# KiCad board GNSS GPS L86-M33 breakout with easyC_panel.kicad_pcb (continued)
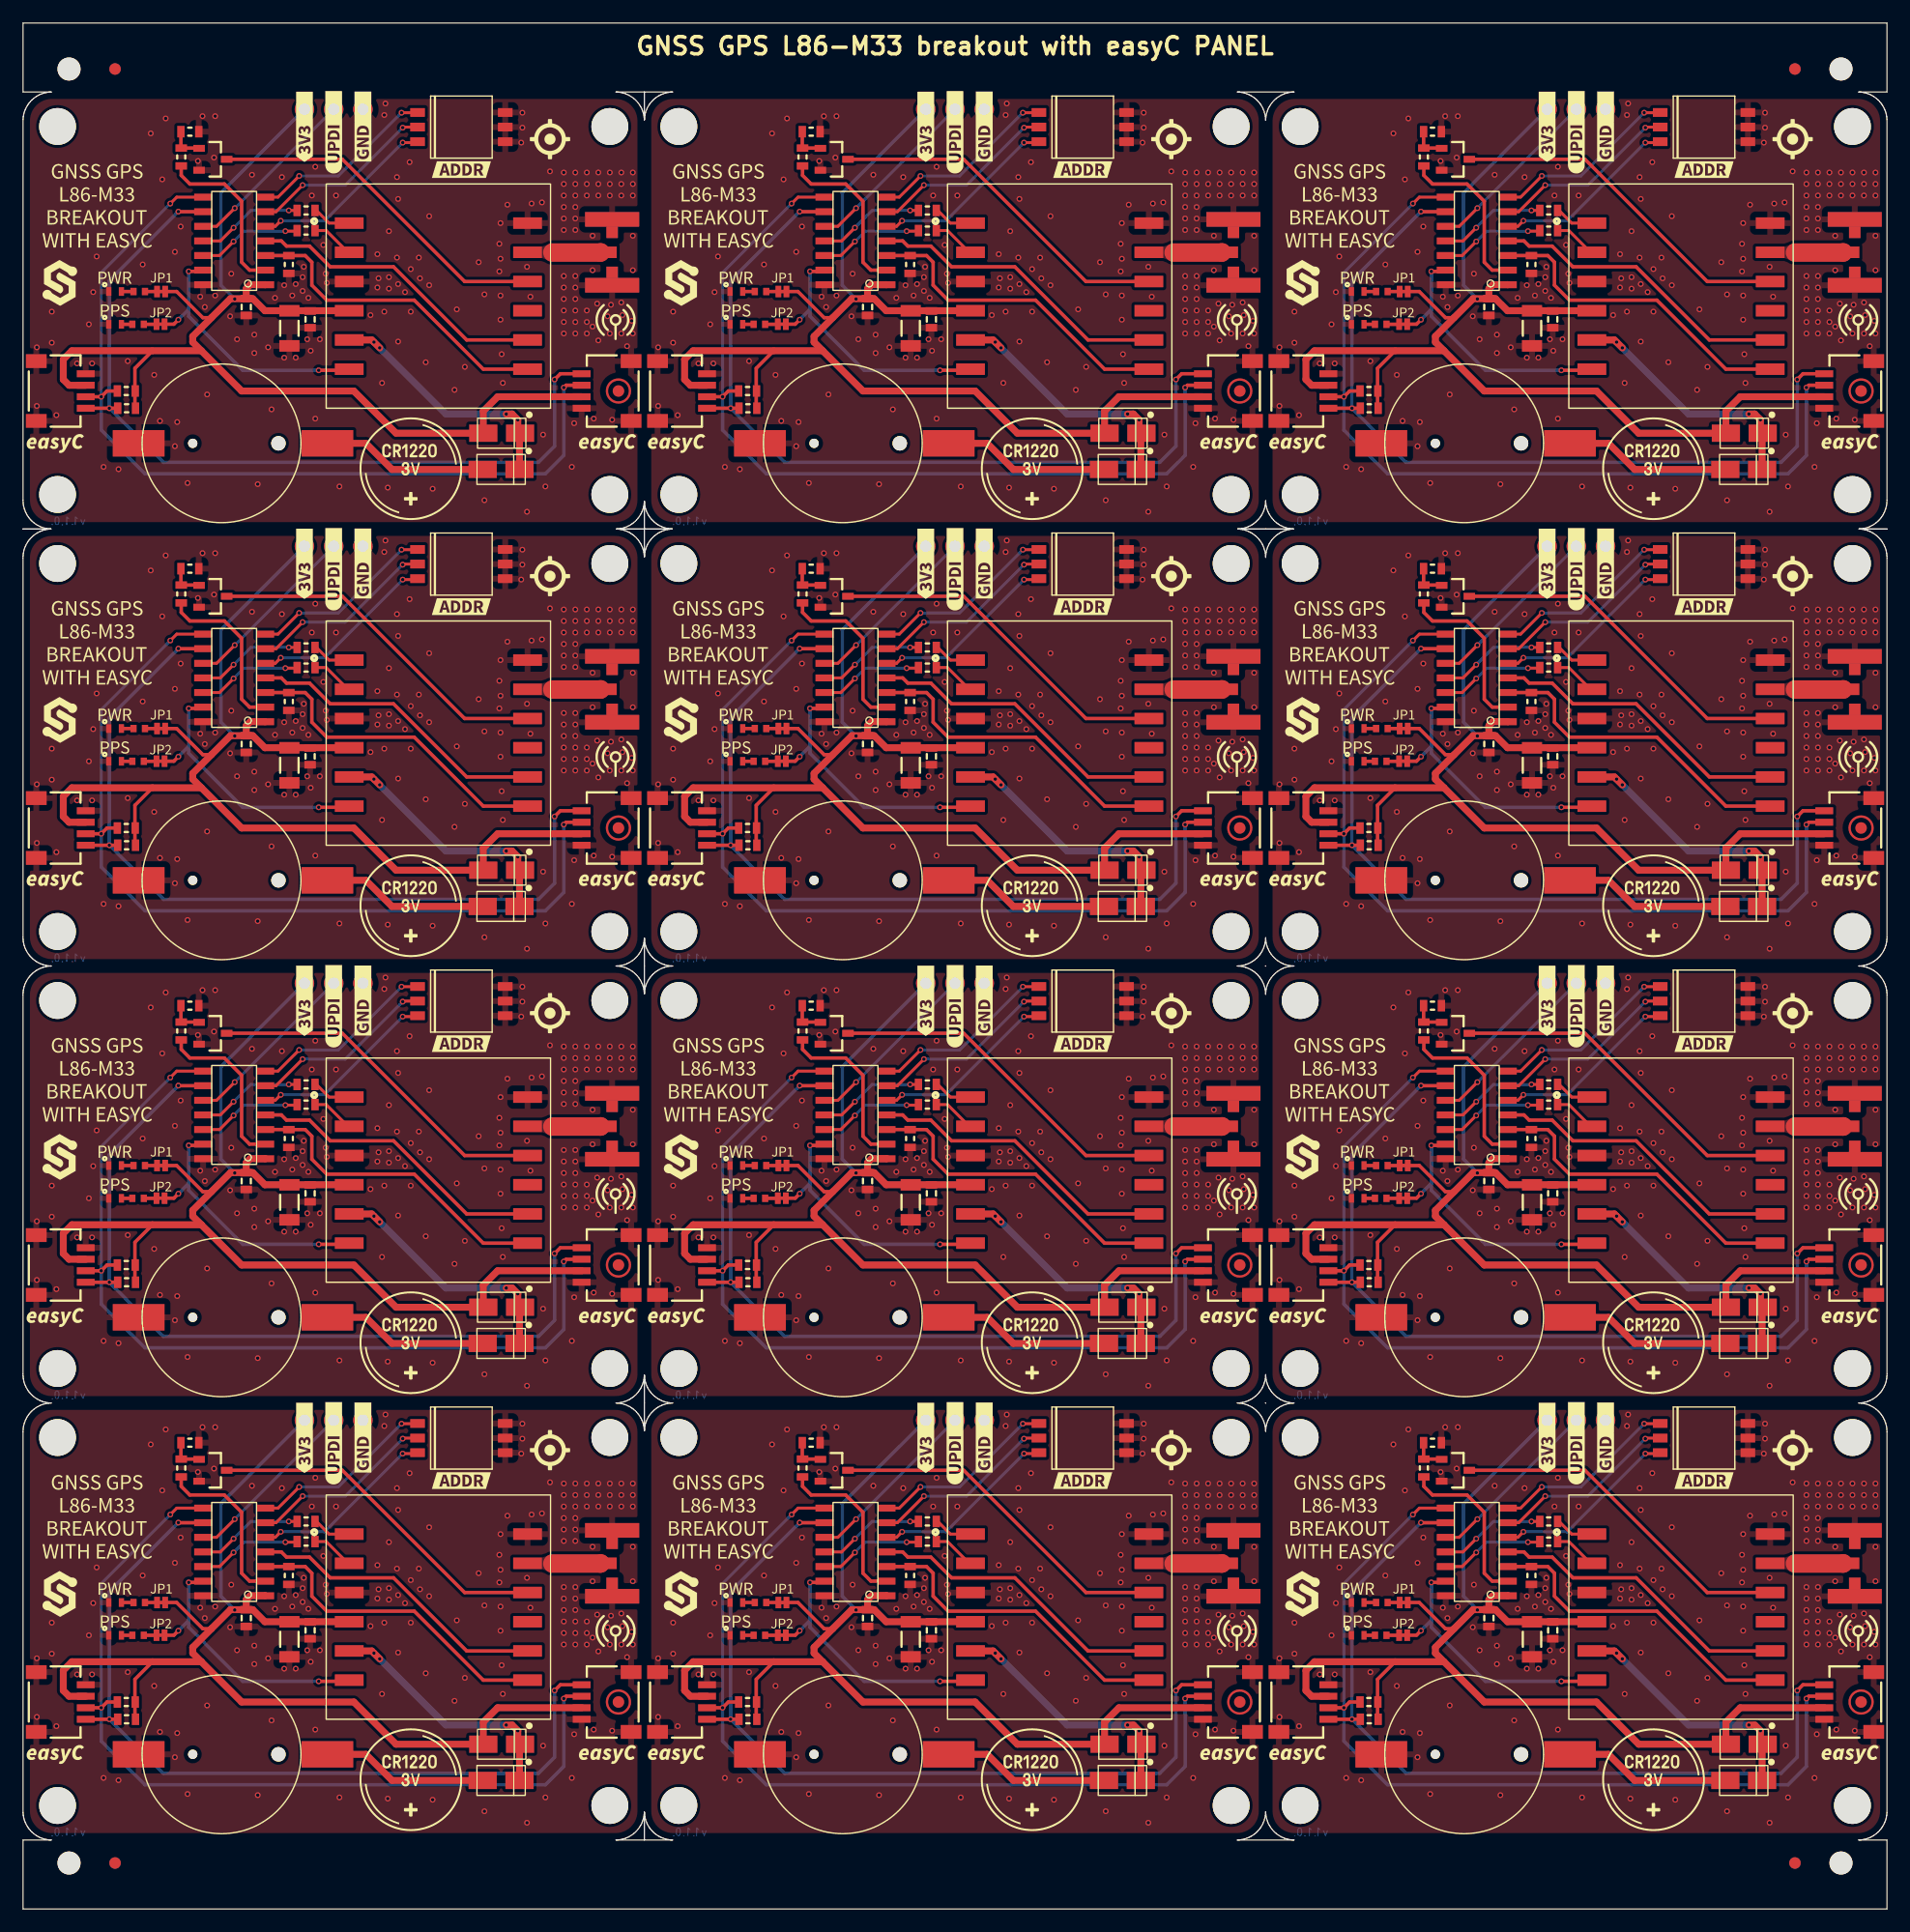
[diagram p0: board, top side]
## Routing (per net, layer and track width the routed paths; a pad name or vN(x,y) marks a point on that pad's centre or on a via; arc(x,y) is an arc through that point) (continued)
  Bottom w0.254: v1(6.8,93.5) 6.8,104.3 v1(12.8,110.3)
  Bottom w0.3: v1(6.8,93.5) 6.8,90.6 10.6,86.8 45.4,86.8 47,88.4 v1(47,94.3)
Board_3-TXD1: length 9.3
  Top w0.254: R3#5.2 v1(23.1,109.7) ; v1(18.3,108.2) 17.15,107.05 U5#4.11
  Bottom w0.254: v1(18.3,108.2) 19.8,109.7 v1(23.1,109.7)
Board_3-UPDI: length 15.6
  Top w0.254: U5#4.10 16.82,108.32 v1(18.4,109.9)
  Bottom w0.254: v1(18.4,109.9) K6#3.2
Board_3-V_BCKP: length 23.9
  Top w0.6: v1(42,92) 42.5,92 v1(43,91.5) 43,90.53 D1#4.2 43.15,90.28 D2.2 ; v1(31,97.75) v1(30.5,98.25) 30.31,98.44 U2#2.5
  Bottom w0.6: v1(43,91.5) 42.5,92 v1(42,92) 36.75,92 v1(31,97.75) v1(30.5,98.25)
Board_4-3V3: length 104.9
  Top w0.3: JP2#10.1 67.35,102.65 69.63,100.38 70.38,100.38 ; 63.75,92.53 63.73,92.55 63.73,95.98 65.25,97.5
  Top w0.6: C5#5.1 73.97,102.03 75.02,100.98 U2#7.4 ; C5#5.1 72.03,102.03 68.75,98.75 68.75,98.25 69.5,97.5 ; C5#5.1 73.4,102.9 73.75,103.25 75.04,103.25 U5#2.1 ; K5#11.3 95.25,93.5 94,92.25 D1#9.1 86.42,90.33 82.75,94 73,94 69.5,97.5 ; K7#6.3 58,94.5 57.5,95 57.5,96.75 58.25,97.5 69.5,97.5
  Bottom w0.3: v1(72.4,102) 71.2,103.2 71.2,111.24 K6#10.1
Board_4-ADD1: length 16.3
  Top w0.254: U5#2.7 76.16,110.86 v1(78,112.7) ; v1(86.9,118.2) 88.27,118.2 K8#2.1
  Bottom w0.254: v1(86.9,118.2) 81.4,112.7 v1(78,112.7)
Board_4-ADD2: length 16.3
  Top w0.254: v1(78.3,111.9) 75.99,109.59 U5#2.6 ; K8#2.3 87.05,116.95 v1(87,116.9)
  Bottom w0.254: v1(87,116.9) 82,111.9 v1(78.3,111.9)
Board_4-ADD3: length 16.3
  Top w0.254: U5#2.5 75.92,108.32 v1(76.4,108.8) ; v1(87,115.6) 88.21,115.6 K8#2.5
  Bottom w0.254: v1(76.4,108.8) 80.2,108.8 v1(87,115.6)
Board_4-ANT: length 4.2
  Top w1.6: 100,106.04 104.18,106.04 K1#3.1
Board_4-ANT_DET: length 26.4
  Top w0.3: U2#7.8 92.56,98.44 86.2,104.8 80.7,104.8 78.9,106.6 76.9,106.6 76.45,107.05 U5#2.4
Board_4-FORCE_ON: length 28.1
  Top w0.3: U2#7.7 94,95.9 88,101.9 80.4,101.9 79.1,103.2 79.1,105.2 78.53,105.78 R5#10.1 77.1,105.78 U5#2.3
Board_4-GND:
  vias: v1(55.2,97.8) v1(55.2,92.7) v1(56.5,100.9) v1(56.5,98.2) v1(56.9,91.9) v1(58.7,96.4) v1(59.73,99.8) v1(60,96.4) v1(60.1,102.6) v1(60.4,105.7) v1(61,87.4) v1(62.3,87.2) v1(63.1,96.6) v1(64.4,105) v1(65.1,116.4) v1(65.4,95.4) v1(65.9,91.4) v1(66.1,112.4) v1(66.4,117.7) v1(67.2,106.1) v1(67.2,89.2) v1(67.4,91.3) v1(67.7,108.3) v1(68.3,86) v1(69.2,114) v1(69.4,102.2) v1(69.6,117.9) v1(69.8,101.3) v1(70,93.7) v1(70.6,114.3) v1(70.7,117.9) v1(70.7,102.3) v1(72,100.5) v1(72.1,104.2) v1(72.6,98.5) v1(73.9,112.8) v1(74.1,98.9) v1(74.1,97.3) v1(74.4,85.9) v1(75.3,97.8) v1(75.6,92.4) v1(75.9,102.1) v1(76.5,112.6) v1(76.7,103.2) v1(76.7,96.9) v1(77.4,102.3) v1(77.7,103.3) v1(77.7,96.9) v1(78.3,103.9) v1(78.3,102.7) v1(78.4,104.8) v1(78.7,98.5) v1(78.8,102.1) v1(79,97.5) v1(79.1,111) v1(79.4,113.5) v1(79.4,91.6) v1(79.8,98.5) v1(80.1,106.7) v1(80.3,104.2) v1(80.4,103.4) v1(81.2,111) v1(81.5,85.7) v1(84.2,100.6) v1(84.8,105.9) v1(84.8,103) v1(84.9,103.8) v1(85.2,94.7) v1(85.4,118) v1(85.4,100.9) v1(85.5,119) v1(85.7,85.6) v1(85.8,107.9) v1(85.8,103.9) v1(85.8,102.9) v1(86.5,112.6) v1(86.5,105.6) v1(86.6,110.7) v1(86.6,103.3) v1(86.6,98.3) v1(87.2,102.6) v1(87.6,113.9) v1(87.7,104.6) v1(87.7,100.9) v1(88.4,105.6) v1(88.5,103.8) v1(89,96.5) v1(89.3,109.2) v1(89.3,103.2) v1(89.6,85.5) v1(91.5,94.1) v1(91.7,101.1) v1(92.4,96.1) v1(93.6,105.2) v1(94.1,102.4) v1(94.1,84.5) v1(95.4,106.8) v1(95.4,104.4) v1(95.5,108.6) v1(95.5,105.5) v1(95.5,102.3) v1(95.5,100.2) v1(95.6,97.2) v1(95.7,94.7) v1(96.1,110.2) v1(97.3,115.6) v1(97.4,118.2) v1(97.4,116.9) v1(97.8,104.8) v1(97.8,83.5) v1(98.1,102.2) v1(98.2,110.3) v1(99.1,110.4) v1(99.2,90.2) v1(99.4,85.7) v1(99.8,113.1) v1(101,113) v1(101,112) v1(101,111) v1(101,110) v1(101,109) v1(101,108) v1(101,104) v1(101,103) v1(101,102) v1(101,101) v1(101,100) v1(101,99) v1(101.7,87.4) v1(101.9,91.2) v1(102,113) v1(102,112) v1(102,111) v1(102,110) v1(102,109) v1(102,108) v1(102,104) v1(102,103) v1(102,102) v1(102,101) v1(102,100) v1(102,99) v1(103,113) v1(103,112) v1(103,111) v1(103,101) v1(103,100) v1(103,99) v1(103.5,107.5) v1(103.5,104.5) v1(103.5,99.6) v1(103.6,91.6) v1(103.9,101.6) v1(104,113) v1(104,112) v1(104,111) v1(104,98.4) v1(104.8,100.5) v1(105,113) v1(105,112) v1(105,111) v1(105,99) v1(105.1,101.5) v1(105.2,91.5) v1(106,113) v1(106,112) v1(106,111) v1(106,101.7) v1(106,99) v1(106.1,100.6) v1(106.5,97.9) v1(106.9,100.1) v1(107,113) v1(107,112) v1(107,111) v1(107,107.5) v1(107,104.5) v1(107,99)
Board_4-Net-(D2-Pad1): length 14.4
  Top w0.6: K3#7.1+ 83.8,89.45 86.07,87.18 D2#11.1
Board_4-Net-(D3-Pad1): length 1
  Top w0.3: D3#7.1 R9#2.2
Board_4-Net-(D4-Pad1): length 1
  Top w0.3: D4#3.1 R10#3.2
Board_4-Net-(JP2-Pad2): length 1
  Top w0.3: R9#2.1 JP2#10.2
Board_4-Net-(JP4-Pad2): length 1.1
  Top w0.3: JP4#2.2 65.59,99.8 R10#3.1
Board_4-Net-(Q1-Pad1): length 3
  Top w0.3: R6#8.1 67.73,115.15 R2#9.2 69.28,115.13 Q1#5.1
Board_4-Net-(Q1-Pad3): length 30.6
  Top w0.3: Q1#5.3 81.75,114.15 92.38,103.52 U2#7.10
Board_4-Net-(R1-Pad1): length 3.8
  Top w0.254: U2#7.2 82.24,106.06 80.35,107.95 R1#9.1
Board_4-Net-(R3-Pad1): length 3.4
  Top w0.254: R3#9.1 79.5,109.7 80.6,108.6 U2#7.1
Board_4-PPS: length 23.8
  Top w0.3: v1(79.7,95.8) 82.25,95.8 U2#7.6 ; v1(68.4,104.4) 69.54,104.4 U5#2.13 ; v1(67.5,100.2) 67.11,99.81 JP4#2.1
  Bottom w0.3: 68.4,101.1 v1(68.4,104.4) ; 68.4,101.1 68.4,100.5 73.1,95.8 v1(79.7,95.8) ; 68.4,101.1 v1(67.5,100.2)
Board_4-RESET: length 14.6
  Top w0.3: R2#9.1 67.75,112.75 68.5,112 71.5,112 73,110.5 73,105.2 73.69,104.51 U5#2.2
Board_4-RXD1: length 9.1
  Top w0.254: R1#9.2 77.78,107.9 v1(76.8,107.9) ; U5#2.12 71.08,105.78 v1(72.3,107)
  Bottom w0.254: v1(72.3,107) 73.2,107.9 v1(76.8,107.9)
Board_4-SCL: length 74.1
  Top w0.3: K7#6.1 v1(61.5,92.5) R7#12.1 ; v1(100.2,95) 100.7,95.5 K5#11.1 ; U5#2.9 67.51,109.59 v1(67.5,109.6)
  Bottom w0.3: v1(100.2,95) 100.2,89.2 98.8,87.8 66.2,87.8 v1(61.5,92.5) 61.5,103.6 v1(67.5,109.6)
Board_4-SDA: length 78.2
  Top w0.254: U5#2.8 67.36,110.86 v1(66.8,110.3)
  Top w0.3: v1(101,94.3) 101.2,94.5 K5#11.2 ; R4#8.1 61.3,94 v1(60.8,93.5) K7#6.2
  Bottom w0.254: v1(60.8,93.5) 60.8,104.3 v1(66.8,110.3)
  Bottom w0.3: v1(101,94.3) 101,88.4 99.4,86.8 64.6,86.8 60.8,90.6 v1(60.8,93.5)
Board_4-TXD1: length 9.3
  Top w0.254: U5#2.11 71.15,107.05 v1(72.3,108.2) ; R3#9.2 v1(77.1,109.7)
  Bottom w0.254: v1(72.3,108.2) 73.8,109.7 v1(77.1,109.7)
Board_4-UPDI: length 15.6
  Top w0.254: v1(72.4,109.9) 70.82,108.32 U5#2.10
  Bottom w0.254: v1(72.4,109.9) K6#10.2
Board_4-V_BCKP: length 23.9
  Top w0.6: v1(85,97.75) v1(84.5,98.25) 84.31,98.44 U2#7.5 ; v1(96,92) 96.5,92 v1(97,91.5) 97,90.53 D1#9.2 97.15,90.28 D2#11.2
  Bottom w0.6: v1(97,91.5) 96.5,92 v1(96,92) 90.75,92 v1(85,97.75) v1(84.5,98.25)
Board_5-3V3: length 104.9
  Top w0.3: JP2#5.1 121.35,102.65 123.63,100.38 124.38,100.38 ; 117.75,92.53 117.73,92.55 117.73,95.98 119.25,97.5
  Top w0.6: U2.4 129.02,100.98 127.97,102.03 C5#3.1 ; K5#5.3 149.25,93.5 148,92.25 D1#2.1 140.42,90.33 136.75,94 127,94 123.5,97.5 ; 123.5,97.5 122.75,98.25 122.75,98.75 126.03,102.03 C5#3.1 ; 123.5,97.5 112.25,97.5 111.5,96.75 111.5,95 112,94.5 K7#4.3 ; C5#3.1 127.4,102.9 127.75,103.25 129.04,103.25 U5#9.1
  Bottom w0.3: K6#5.1 125.2,111.24 125.2,103.2 v1(126.4,102)
Board_5-ADD1: length 16.3
  Top w0.254: U5#9.7 130.16,110.86 v1(132,112.7) ; K8#10.1 142.27,118.2 v1(140.9,118.2)
  Bottom w0.254: v1(132,112.7) 135.4,112.7 v1(140.9,118.2)
Board_5-ADD2: length 16.3
  Top w0.254: v1(141,116.9) 141.05,116.95 K8#10.3 ; U5#9.6 129.99,109.59 v1(132.3,111.9)
  Bottom w0.254: v1(141,116.9) 136,111.9 v1(132.3,111.9)
Board_5-ADD3: length 16.3
  Top w0.254: U5#9.5 129.92,108.32 v1(130.4,108.8) ; K8#10.5 142.21,115.6 v1(141,115.6)
  Bottom w0.254: v1(141,115.6) 134.2,108.8 v1(130.4,108.8)
Board_5-ANT: length 4.2
  Top w1.6: K1#10.1 158.18,106.04 154,106.04
Board_5-ANT_DET: length 26.4
  Top w0.3: U2.8 146.56,98.44 140.2,104.8 134.7,104.8 132.9,106.6 130.9,106.6 130.45,107.05 U5#9.4
Board_5-FORCE_ON: length 28.1
  Top w0.3: U5#9.3 131.1,105.78 R5#2.1 132.53,105.78 133.1,105.2 133.1,103.2 134.4,101.9 142,101.9 148,95.9 U2.7
Board_5-GND:
  vias: v1(109.2,97.8) v1(109.2,92.7) v1(110.5,100.9) v1(110.5,98.2) v1(110.9,91.9) v1(112.7,96.4) v1(113.73,99.8) v1(114,96.4) v1(114.1,102.6) v1(114.4,105.7) v1(115,87.4) v1(116.3,87.2) v1(117.1,96.6) v1(118.4,105) v1(119.1,116.4) v1(119.4,95.4) v1(119.9,91.4) v1(120.1,112.4) v1(120.4,117.7) v1(121.2,106.1) v1(121.2,89.2) v1(121.4,91.3) v1(121.7,108.3) v1(122.3,86) v1(123.2,114) v1(123.4,102.2) v1(123.6,117.9) v1(123.8,101.3) v1(124,93.7) v1(124.6,114.3) v1(124.7,117.9) v1(124.7,102.3) v1(126,100.5) v1(126.1,104.2) v1(126.6,98.5) v1(127.9,112.8) v1(128.1,98.9) v1(128.1,97.3) v1(128.4,85.9) v1(129.3,97.8) v1(129.6,92.4) v1(129.9,102.1) v1(130.5,112.6) v1(130.7,103.2) v1(130.7,96.9) v1(131.4,102.3) v1(131.7,103.3) v1(131.7,96.9) v1(132.3,103.9) v1(132.3,102.7) v1(132.4,104.8) v1(132.7,98.5) v1(132.8,102.1) v1(133,97.5) v1(133.1,111) v1(133.4,113.5) v1(133.4,91.6) v1(133.8,98.5) v1(134.1,106.7) v1(134.3,104.2) v1(134.4,103.4) v1(135.2,111) v1(135.5,85.7) v1(138.2,100.6) v1(138.8,105.9) v1(138.8,103) v1(138.9,103.8) v1(139.2,94.7) v1(139.4,118) v1(139.4,100.9) v1(139.5,119) v1(139.7,85.6) v1(139.8,107.9) v1(139.8,103.9) v1(139.8,102.9) v1(140.5,112.6) v1(140.5,105.6) v1(140.6,110.7) v1(140.6,103.3) v1(140.6,98.3) v1(141.2,102.6) v1(141.6,113.9) v1(141.7,104.6) v1(141.7,100.9) v1(142.4,105.6) v1(142.5,103.8) v1(143,96.5) v1(143.3,109.2) v1(143.3,103.2) v1(143.6,85.5) v1(145.5,94.1) v1(145.7,101.1) v1(146.4,96.1) v1(147.6,105.2) v1(148.1,102.4) v1(148.1,84.5) v1(149.4,106.8) v1(149.4,104.4) v1(149.5,108.6) v1(149.5,105.5) v1(149.5,102.3) v1(149.5,100.2) v1(149.6,97.2) v1(149.7,94.7) v1(150.1,110.2) v1(151.3,115.6) v1(151.4,118.2) v1(151.4,116.9) v1(151.8,104.8) v1(151.8,83.5) v1(152.1,102.2) v1(152.2,110.3) v1(153.1,110.4) v1(153.2,90.2) v1(153.4,85.7) v1(153.8,113.1) v1(155,113) v1(155,112) v1(155,111) v1(155,110) v1(155,109) v1(155,108) v1(155,104) v1(155,103) v1(155,102) v1(155,101) v1(155,100) v1(155,99) v1(155.7,87.4) v1(155.9,91.2) v1(156,113) v1(156,112) v1(156,111) v1(156,110) v1(156,109) v1(156,108) v1(156,104) v1(156,103) v1(156,102) v1(156,101) v1(156,100) v1(156,99) v1(157,113) v1(157,112) v1(157,111) v1(157,101) v1(157,100) v1(157,99) v1(157.5,107.5) v1(157.5,104.5) v1(157.5,99.6) v1(157.6,91.6) v1(157.9,101.6) v1(158,113) v1(158,112) v1(158,111) v1(158,98.4) v1(158.8,100.5) v1(159,113) v1(159,112) v1(159,111) v1(159,99) v1(159.1,101.5) v1(159.2,91.5) v1(160,113) v1(160,112) v1(160,111) v1(160,101.7) v1(160,99) v1(160.1,100.6) v1(160.5,97.9) v1(160.9,100.1) v1(161,113) v1(161,112) v1(161,111) v1(161,107.5) v1(161,104.5) v1(161,99)
Board_5-Net-(D2-Pad1): length 14.4
  Top w0.6: K3#2.1+ 137.8,89.45 140.07,87.18 D2#8.1
Board_5-Net-(D3-Pad1): length 1
  Top w0.3: D3#6.1 R9#6.2
Board_5-Net-(D4-Pad1): length 0.9
  Top w0.3: D4#8.1 R10#5.2
Board_5-Net-(JP2-Pad2): length 1.1
  Top w0.3: R9#6.1 JP2#5.2
Board_5-Net-(JP4-Pad2): length 1.1
  Top w0.3: R10#5.1 119.59,99.8 JP4#6.2
Board_5-Net-(Q1-Pad1): length 3
  Top w0.3: Q1#4.1 123.28,115.13 R2#6.2 121.73,115.15 R6#3.1
Board_5-Net-(Q1-Pad3): length 30.6
  Top w0.3: Q1#4.3 135.75,114.15 146.38,103.52 U2.10
Board_5-Net-(R1-Pad1): length 3.8
  Top w0.254: R1#11.1 134.35,107.95 136.24,106.06 U2.2
Board_5-Net-(R3-Pad1): length 3.4
  Top w0.254: R3#12.1 133.5,109.7 134.6,108.6 U2.1
Board_5-PPS: length 23.8
  Top w0.3: v1(133.7,95.8) 136.25,95.8 U2.6 ; U5#9.13 123.54,104.4 v1(122.4,104.4) ; v1(121.5,100.2) 121.11,99.81 JP4#6.1
  Bottom w0.3: v1(121.5,100.2) 122.4,101.1 ; 122.4,101.1 v1(122.4,104.4) ; 122.4,101.1 122.4,100.5 127.1,95.8 v1(133.7,95.8)
Board_5-RESET: length 14.6
  Top w0.3: R2#6.1 121.75,112.75 122.5,112 125.5,112 127,110.5 127,105.2 127.69,104.51 U5#9.2
Board_5-RXD1: length 9.1
  Top w0.254: v1(126.3,107) 125.08,105.78 U5#9.12 ; v1(130.8,107.9) 131.78,107.9 R1#11.2
  Bottom w0.254: v1(130.8,107.9) 127.2,107.9 v1(126.3,107)
Board_5-SCL: length 74.1
  Top w0.3: U5#9.9 121.51,109.59 v1(121.5,109.6) ; v1(154.2,95) 154.7,95.5 K5#5.1 ; K7#4.1 v1(115.5,92.5) R7#10.1
  Bottom w0.3: v1(154.2,95) 154.2,89.2 152.8,87.8 120.2,87.8 v1(115.5,92.5) 115.5,103.6 v1(121.5,109.6)
Board_5-SDA: length 78.2
  Top w0.254: v1(120.8,110.3) 121.36,110.86 U5#9.8
  Top w0.3: R4#6.1 115.3,94 v1(114.8,93.5) K7#4.2 ; K5#5.2 155.2,94.5 v1(155,94.3)
  Bottom w0.254: v1(120.8,110.3) 114.8,104.3 v1(114.8,93.5)
  Bottom w0.3: v1(155,94.3) 155,88.4 153.4,86.8 118.6,86.8 114.8,90.6 v1(114.8,93.5)
Board_5-TXD1: length 9.3
  Top w0.254: U5#9.11 125.15,107.05 v1(126.3,108.2) ; R3#12.2 v1(131.1,109.7)
  Bottom w0.254: v1(131.1,109.7) 127.8,109.7 v1(126.3,108.2)
Board_5-UPDI: length 15.6
  Top w0.254: U5#9.10 124.82,108.32 v1(126.4,109.9)
  Bottom w0.254: v1(126.4,109.9) K6#5.2
Board_5-V_BCKP: length 23.9
  Top w0.6: D2#8.2 151.15,90.28 D1#2.2 151,90.53 v1(151,91.5) 150.5,92 v1(150,92) ; v1(139,97.75) v1(138.5,98.25) 138.31,98.44 U2.5
  Bottom w0.6: v1(151,91.5) 150.5,92 v1(150,92) 144.75,92 v1(139,97.75) v1(138.5,98.25)
Board_6-3V3: length 104.9
  Top w0.3: 16.38,62.38 15.63,62.38 13.35,64.65 JP2#6.1 ; 9.75,54.53 9.73,54.55 9.73,57.98 11.25,59.5
  Top w0.6: K5#7.3 41.25,55.5 40,54.25 D1#3.1 32.42,52.33 28.75,56 19,56 15.5,59.5 ; 15.5,59.5 4.25,59.5 3.5,58.75 3.5,57 4,56.5 K7#5.3 ; 15.5,59.5 14.75,60.25 14.75,60.75 18.03,64.03 C5#11.1 ; C5#11.1 19.4,64.9 19.75,65.25 21.04,65.25 U5.1 ; C5#11.1 19.97,64.03 21.02,62.98 U2#11.4
  Bottom w0.3: v1(18.4,64) 17.2,65.2 17.2,73.24 K6.1
Board_6-ADD1: length 16.3
  Top w0.254: v1(24,74.7) 22.16,72.86 U5.7 ; v1(32.9,80.2) 34.27,80.2 K8#9.1
  Bottom w0.254: v1(24,74.7) 27.4,74.7 v1(32.9,80.2)
Board_6-ADD2: length 16.3
  Top w0.254: U5.6 21.99,71.59 v1(24.3,73.9) ; K8#9.3 33.05,78.95 v1(33,78.9)
  Bottom w0.254: v1(24.3,73.9) 28,73.9 v1(33,78.9)
Board_6-ADD3: length 16.3
  Top w0.254: K8#9.5 34.21,77.6 v1(33,77.6) ; U5.5 21.92,70.32 v1(22.4,70.8)
  Bottom w0.254: v1(22.4,70.8) 26.2,70.8 v1(33,77.6)
Board_6-ANT: length 4.2
  Top w1.6: K1#6.1 50.18,68.04 46,68.04
Board_6-ANT_DET: length 26.4
  Top w0.3: U2#11.8 38.56,60.44 32.2,66.8 26.7,66.8 24.9,68.6 22.9,68.6 22.45,69.05 U5.4
Board_6-FORCE_ON: length 28.1
  Top w0.3: U2#11.7 40,57.9 34,63.9 26.4,63.9 25.1,65.2 25.1,67.2 24.53,67.78 R5.1 23.1,67.78 U5.3
Board_6-GND:
  vias: v1(1.2,59.8) v1(1.2,54.7) v1(2.5,62.9) v1(2.5,60.2) v1(2.9,53.9) v1(4.7,58.4) v1(5.73,61.8) v1(6,58.4) v1(6.1,64.6) v1(6.4,67.7) v1(7,49.4) v1(8.3,49.2) v1(9.1,58.6) v1(10.4,67) v1(11.1,78.4) v1(11.4,57.4) v1(11.9,53.4) v1(12.1,74.4) v1(12.4,79.7) v1(13.2,68.1) v1(13.2,51.2) v1(13.4,53.3) v1(13.7,70.3) v1(14.3,48) v1(15.2,76) v1(15.4,64.2) v1(15.6,79.9) v1(15.8,63.3) v1(16,55.7) v1(16.6,76.3) v1(16.7,79.9) v1(16.7,64.3) v1(18,62.5) v1(18.1,66.2) v1(18.6,60.5) v1(19.9,74.8) v1(20.1,60.9) v1(20.1,59.3) v1(20.4,47.9) v1(21.3,59.8) v1(21.6,54.4) v1(21.9,64.1) v1(22.5,74.6) v1(22.7,65.2) v1(22.7,58.9) v1(23.4,64.3) v1(23.7,65.3) v1(23.7,58.9) v1(24.3,65.9) v1(24.3,64.7) v1(24.4,66.8) v1(24.7,60.5) v1(24.8,64.1) v1(25,59.5) v1(25.1,73) v1(25.4,75.5) v1(25.4,53.6) v1(25.8,60.5) v1(26.1,68.7) v1(26.3,66.2) v1(26.4,65.4) v1(27.2,73) v1(27.5,47.7) v1(30.2,62.6) v1(30.8,67.9) v1(30.8,65) v1(30.9,65.8) v1(31.2,56.7) v1(31.4,80) v1(31.4,62.9) v1(31.5,81) v1(31.7,47.6) v1(31.8,69.9) v1(31.8,65.9) v1(31.8,64.9) v1(32.5,74.6) v1(32.5,67.6) v1(32.6,72.7) v1(32.6,65.3) v1(32.6,60.3) v1(33.2,64.6) v1(33.6,75.9) v1(33.7,66.6) v1(33.7,62.9) v1(34.4,67.6) v1(34.5,65.8) v1(35,58.5) v1(35.3,71.2) v1(35.3,65.2) v1(35.6,47.5) v1(37.5,56.1) v1(37.7,63.1) v1(38.4,58.1) v1(39.6,67.2) v1(40.1,64.4) v1(40.1,46.5) v1(41.4,68.8) v1(41.4,66.4) v1(41.5,70.6) v1(41.5,67.5) v1(41.5,64.3) v1(41.5,62.2) v1(41.6,59.2) v1(41.7,56.7) v1(42.1,72.2) v1(43.3,77.6) v1(43.4,80.2) v1(43.4,78.9) v1(43.8,66.8) v1(43.8,45.5) v1(44.1,64.2) v1(44.2,72.3) v1(45.1,72.4) v1(45.2,52.2) v1(45.4,47.7) v1(45.8,75.1) v1(47,75) v1(47,74) v1(47,73) v1(47,72) v1(47,71) v1(47,70) v1(47,66) v1(47,65) v1(47,64) v1(47,63) v1(47,62) v1(47,61) v1(47.7,49.4) v1(47.9,53.2) v1(48,75) v1(48,74) v1(48,73) v1(48,72) v1(48,71) v1(48,70) v1(48,66) v1(48,65) v1(48,64) v1(48,63) v1(48,62) v1(48,61) v1(49,75) v1(49,74) v1(49,73) v1(49,63) v1(49,62) v1(49,61) v1(49.5,69.5) v1(49.5,66.5) v1(49.5,61.6) v1(49.6,53.6) v1(49.9,63.6) v1(50,75) v1(50,74) v1(50,73) v1(50,60.4) v1(50.8,62.5) v1(51,75) v1(51,74) v1(51,73) v1(51,61) v1(51.1,63.5) v1(51.2,53.5) v1(52,75) v1(52,74) v1(52,73) v1(52,63.7) v1(52,61) v1(52.1,62.6) v1(52.5,59.9) v1(52.9,62.1) v1(53,75) v1(53,74) v1(53,73) v1(53,69.5) v1(53,66.5) v1(53,61)
Board_6-Net-(D2-Pad1): length 14.4
  Top w0.6: K3#3.1+ 29.8,51.45 32.07,49.18 D2#3.1
Board_6-Net-(D3-Pad1): length 1.1
  Top w0.3: D3#3.1 R9#12.2
Board_6-Net-(D4-Pad1): length 0.9
  Top w0.3: D4#7.1 R10#10.2
Board_6-Net-(JP2-Pad2): length 1
  Top w0.3: R9#12.1 JP2#6.2
Board_6-Net-(JP4-Pad2): length 1.1
  Top w0.3: R10#10.1 11.59,61.8 JP4#10.2
Board_6-Net-(Q1-Pad1): length 3
  Top w0.3: Q1#8.1 15.28,77.13 R2#10.2 13.73,77.15 R6#5.1
Board_6-Net-(Q1-Pad3): length 30.6
  Top w0.3: Q1#8.3 27.75,76.15 38.38,65.52 U2#11.10
Board_6-Net-(R1-Pad1): length 3.8
  Top w0.254: R1#12.1 26.35,69.95 28.24,68.06 U2#11.2
Board_6-Net-(R3-Pad1): length 3.4
  Top w0.254: U2#11.1 26.6,70.6 25.5,71.7 R3#6.1
Board_6-PPS: length 23.8
  Top w0.3: v1(25.7,57.8) 28.25,57.8 U2#11.6 ; U5.13 15.54,66.4 v1(14.4,66.4) ; v1(13.5,62.2) 13.11,61.81 JP4#10.1
  Bottom w0.3: v1(13.5,62.2) 14.4,63.1 ; 14.4,63.1 14.4,62.5 19.1,57.8 v1(25.7,57.8) ; 14.4,63.1 v1(14.4,66.4)
Board_6-RESET: length 14.6
  Top w0.3: R2#10.1 13.75,74.75 14.5,74 17.5,74 19,72.5 19,67.2 19.69,66.51 U5.2
Board_6-RXD1: length 9.1
  Top w0.254: R1#12.2 23.78,69.9 v1(22.8,69.9) ; U5.12 17.08,67.78 v1(18.3,69)
  Bottom w0.254: v1(22.8,69.9) 19.2,69.9 v1(18.3,69)
Board_6-SCL: length 74.1
  Top w0.3: v1(13.5,71.6) 13.51,71.59 U5.9 ; K7#5.1 v1(7.5,54.5) R7.1 ; K5#7.1 46.7,57.5 v1(46.2,57)
  Bottom w0.3: v1(46.2,57) 46.2,51.2 44.8,49.8 12.2,49.8 v1(7.5,54.5) 7.5,65.6 v1(13.5,71.6)
Board_6-SDA: length 78.2
  Top w0.254: v1(12.8,72.3) 13.36,72.86 U5.8
  Top w0.3: R4#12.1 7.3,56 v1(6.8,55.5) K7#5.2 ; K5#7.2 47.2,56.5 v1(47,56.3)
  Bottom w0.254: v1(12.8,72.3) 6.8,66.3 v1(6.8,55.5)
  Bottom w0.3: v1(6.8,55.5) 6.8,52.6 10.6,48.8 45.4,48.8 47,50.4 v1(47,56.3)
Board_6-TXD1: length 9.3
  Top w0.254: U5.11 17.15,69.05 v1(18.3,70.2) ; R3#6.2 v1(23.1,71.7)
  Bottom w0.254: v1(18.3,70.2) 19.8,71.7 v1(23.1,71.7)
Board_6-UPDI: length 15.6
  Top w0.254: v1(18.4,71.9) 16.82,70.32 U5.10
  Bottom w0.254: v1(18.4,71.9) K6.2
Board_6-V_BCKP: length 23.9
  Top w0.6: v1(31,59.75) v1(30.5,60.25) 30.31,60.44 U2#11.5 ; v1(42,54) 42.5,54 v1(43,53.5) 43,52.53 D1#3.2 43.15,52.28 D2#3.2
  Bottom w0.6: v1(43,53.5) 42.5,54 v1(42,54) 36.75,54 v1(31,59.75) v1(30.5,60.25)
Board_7-3V3: length 104.9
  Top w0.3: JP2#4.1 67.35,64.65 69.63,62.38 70.38,62.38 ; 63.75,54.53 63.73,54.55 63.73,57.98 65.25,59.5
  Top w0.6: U5#12.1 75.04,65.25 73.75,65.25 73.4,64.9 C5#6.1 ; 69.5,59.5 68.75,60.25 68.75,60.75 72.03,64.03 C5#6.1 ; 69.5,59.5 73,56 82.75,56 86.42,52.33 D1#11.1 94,54.25 95.25,55.5 K5#8.3 ; 69.5,59.5 58.25,59.5 57.5,58.75 57.5,57 58,56.5 K7#11.3 ; C5#6.1 73.97,64.03 75.02,62.98 U2#5.4
  Bottom w0.3: v1(72.4,64) 71.2,65.2 71.2,73.24 K6#7.1
Board_7-ADD1: length 16.3
  Top w0.254: K8#8.1 88.27,80.2 v1(86.9,80.2) ; U5#12.7 76.16,72.86 v1(78,74.7)
  Bottom w0.254: v1(78,74.7) 81.4,74.7 v1(86.9,80.2)
Board_7-ADD2: length 16.3
  Top w0.254: v1(78.3,73.9) 75.99,71.59 U5#12.6 ; v1(87,78.9) 87.05,78.95 K8#8.3
  Bottom w0.254: v1(87,78.9) 82,73.9 v1(78.3,73.9)
Board_7-ADD3: length 16.3
  Top w0.254: v1(76.4,70.8) 75.92,70.32 U5#12.5 ; v1(87,77.6) 88.21,77.6 K8#8.5
  Bottom w0.254: v1(87,77.6) 80.2,70.8 v1(76.4,70.8)
Board_7-ANT: length 4.2
  Top w1.6: 100,68.04 104.18,68.04 K1.1
Board_7-ANT_DET: length 26.4
  Top w0.3: U2#5.8 92.56,60.44 86.2,66.8 80.7,66.8 78.9,68.6 76.9,68.6 76.45,69.05 U5#12.4
Board_7-FORCE_ON: length 28.1
  Top w0.3: U2#5.7 94,57.9 88,63.9 80.4,63.9 79.1,65.2 79.1,67.2 78.53,67.78 R5#11.1 77.1,67.78 U5#12.3
Board_7-GND:
  vias: v1(55.2,59.8) v1(55.2,54.7) v1(56.5,62.9) v1(56.5,60.2) v1(56.9,53.9) v1(58.7,58.4) v1(59.73,61.8) v1(60,58.4) v1(60.1,64.6) v1(60.4,67.7) v1(61,49.4) v1(62.3,49.2) v1(63.1,58.6) v1(64.4,67) v1(65.1,78.4) v1(65.4,57.4) v1(65.9,53.4) v1(66.1,74.4) v1(66.4,79.7) v1(67.2,68.1) v1(67.2,51.2) v1(67.4,53.3) v1(67.7,70.3) v1(68.3,48) v1(69.2,76) v1(69.4,64.2) v1(69.6,79.9) v1(69.8,63.3) v1(70,55.7) v1(70.6,76.3) v1(70.7,79.9) v1(70.7,64.3) v1(72,62.5) v1(72.1,66.2) v1(72.6,60.5) v1(73.9,74.8) v1(74.1,60.9) v1(74.1,59.3) v1(74.4,47.9) v1(75.3,59.8) v1(75.6,54.4) v1(75.9,64.1) v1(76.5,74.6) v1(76.7,65.2) v1(76.7,58.9) v1(77.4,64.3) v1(77.7,65.3) v1(77.7,58.9) v1(78.3,65.9) v1(78.3,64.7) v1(78.4,66.8) v1(78.7,60.5) v1(78.8,64.1) v1(79,59.5) v1(79.1,73) v1(79.4,75.5) v1(79.4,53.6) v1(79.8,60.5) v1(80.1,68.7) v1(80.3,66.2) v1(80.4,65.4) v1(81.2,73) v1(81.5,47.7) v1(84.2,62.6) v1(84.8,67.9) v1(84.8,65) v1(84.9,65.8) v1(85.2,56.7) v1(85.4,80) v1(85.4,62.9) v1(85.5,81) v1(85.7,47.6) v1(85.8,69.9) v1(85.8,65.9) v1(85.8,64.9) v1(86.5,74.6) v1(86.5,67.6) v1(86.6,72.7) v1(86.6,65.3) v1(86.6,60.3) v1(87.2,64.6) v1(87.6,75.9) v1(87.7,66.6) v1(87.7,62.9) v1(88.4,67.6) v1(88.5,65.8) v1(89,58.5) v1(89.3,71.2) v1(89.3,65.2) v1(89.6,47.5) v1(91.5,56.1) v1(91.7,63.1) v1(92.4,58.1) v1(93.6,67.2) v1(94.1,64.4) v1(94.1,46.5) v1(95.4,68.8) v1(95.4,66.4) v1(95.5,70.6) v1(95.5,67.5) v1(95.5,64.3) v1(95.5,62.2) v1(95.6,59.2) v1(95.7,56.7) v1(96.1,72.2) v1(97.3,77.6) v1(97.4,80.2) v1(97.4,78.9) v1(97.8,66.8) v1(97.8,45.5) v1(98.1,64.2) v1(98.2,72.3) v1(99.1,72.4) v1(99.2,52.2) v1(99.4,47.7) v1(99.8,75.1) v1(101,75) v1(101,74) v1(101,73) v1(101,72) v1(101,71) v1(101,70) v1(101,66) v1(101,65) v1(101,64) v1(101,63) v1(101,62) v1(101,61) v1(101.7,49.4) v1(101.9,53.2) v1(102,75) v1(102,74) v1(102,73) v1(102,72) v1(102,71) v1(102,70) v1(102,66) v1(102,65) v1(102,64) v1(102,63) v1(102,62) v1(102,61) v1(103,75) v1(103,74) v1(103,73) v1(103,63) v1(103,62) v1(103,61) v1(103.5,69.5) v1(103.5,66.5) v1(103.5,61.6) v1(103.6,53.6) v1(103.9,63.6) v1(104,75) v1(104,74) v1(104,73) v1(104,60.4) v1(104.8,62.5) v1(105,75) v1(105,74) v1(105,73) v1(105,61) v1(105.1,63.5) v1(105.2,53.5) v1(106,75) v1(106,74) v1(106,73) v1(106,63.7) v1(106,61) v1(106.1,62.6) v1(106.5,59.9) v1(106.9,62.1) v1(107,75) v1(107,74) v1(107,73) v1(107,69.5) v1(107,66.5) v1(107,61)
Board_7-Net-(D2-Pad1): length 14.4
  Top w0.6: D2#2.1 86.07,49.18 83.8,51.45 K3.1+
Board_7-Net-(D3-Pad1): length 1
  Top w0.3: D3.1 R9#3.2
Board_7-Net-(D4-Pad1): length 1
  Top w0.3: D4#9.1 R10#11.2
Board_7-Net-(JP2-Pad2): length 1
  Top w0.3: R9#3.1 JP2#4.2
Board_7-Net-(JP4-Pad2): length 1.1
  Top w0.3: R10#11.1 65.59,61.8 JP4#7.2
Board_7-Net-(Q1-Pad1): length 3
  Top w0.3: R6#4.1 67.73,77.15 R2#3.2 69.28,77.13 Q1#3.1
Board_7-Net-(Q1-Pad3): length 30.6
  Top w0.3: Q1#3.3 81.75,76.15 92.38,65.52 U2#5.10
Board_7-Net-(R1-Pad1): length 3.8
  Top w0.254: U2#5.2 82.24,68.06 80.35,69.95 R1#5.1
Board_7-Net-(R3-Pad1): length 3.4
  Top w0.254: U2#5.1 80.6,70.6 79.5,71.7 R3#8.1
Board_7-PPS: length 23.8
  Top w0.3: U2#5.6 82.25,57.8 v1(79.7,57.8) ; v1(67.5,62.2) 67.11,61.81 JP4#7.1 ; U5#12.13 69.54,66.4 v1(68.4,66.4)
  Bottom w0.3: v1(79.7,57.8) 73.1,57.8 68.4,62.5 68.4,63.1 ; v1(67.5,62.2) 68.4,63.1 ; 68.4,63.1 v1(68.4,66.4)
Board_7-RESET: length 14.6
  Top w0.3: R2#3.1 67.75,74.75 68.5,74 71.5,74 73,72.5 73,67.2 73.69,66.51 U5#12.2
Board_7-RXD1: length 9.1
  Top w0.254: R1#5.2 77.78,69.9 v1(76.8,69.9) ; v1(72.3,69) 71.08,67.78 U5#12.12
  Bottom w0.254: v1(72.3,69) 73.2,69.9 v1(76.8,69.9)
Board_7-SCL: length 74.1
  Top w0.3: K7#11.1 v1(61.5,54.5) R7#4.1 ; v1(100.2,57) 100.7,57.5 K5#8.1 ; U5#12.9 67.51,71.59 v1(67.5,71.6)
  Bottom w0.3: v1(100.2,57) 100.2,51.2 98.8,49.8 66.2,49.8 v1(61.5,54.5) 61.5,65.6 v1(67.5,71.6)
Board_7-SDA: length 78.2
  Top w0.254: v1(66.8,72.3) 67.36,72.86 U5#12.8
  Top w0.3: R4.1 61.3,56 v1(60.8,55.5) K7#11.2 ; K5#8.2 101.2,56.5 v1(101,56.3)
  Bottom w0.254: v1(66.8,72.3) 60.8,66.3 v1(60.8,55.5)
  Bottom w0.3: v1(101,56.3) 101,50.4 99.4,48.8 64.6,48.8 60.8,52.6 v1(60.8,55.5)
Board_7-TXD1: length 9.3
  Top w0.254: R3#8.2 v1(77.1,71.7) ; U5#12.11 71.15,69.05 v1(72.3,70.2)
  Bottom w0.254: v1(77.1,71.7) 73.8,71.7 v1(72.3,70.2)
Board_7-UPDI: length 15.6
  Top w0.254: U5#12.10 70.82,70.32 v1(72.4,71.9)
  Bottom w0.254: v1(72.4,71.9) K6#7.2
Board_7-V_BCKP: length 23.9
  Top w0.6: v1(85,59.75) v1(84.5,60.25) 84.31,60.44 U2#5.5 ; D2#2.2 97.15,52.28 D1#11.2 97,52.53 v1(97,53.5) 96.5,54 v1(96,54)
  Bottom w0.6: v1(97,53.5) 96.5,54 v1(96,54) 90.75,54 v1(85,59.75) v1(84.5,60.25)
Board_8-3V3: length 104.9
  Top w0.3: 124.38,62.38 123.63,62.38 121.35,64.65 JP2#3.1 ; 117.75,54.53 117.73,54.55 117.73,57.98 119.25,59.5
  Top w0.6: 123.5,59.5 112.25,59.5 111.5,58.75 111.5,57 112,56.5 K7#2.3 ; 123.5,59.5 127,56 136.75,56 140.42,52.33 D1#7.1 148,54.25 149.25,55.5 K5#10.3 ; 123.5,59.5 122.75,60.25 122.75,60.75 126.03,64.03 C5#2.1 ; C5#2.1 127.4,64.9 127.75,65.25 129.04,65.25 U5#11.1 ; C5#2.1 127.97,64.03 129.02,62.98 U2#8.4
  Bottom w0.3: K6#6.1 125.2,73.24 125.2,65.2 v1(126.4,64)
